# KiCad board SF_01 Compute Board.kicad_pcb (continued)
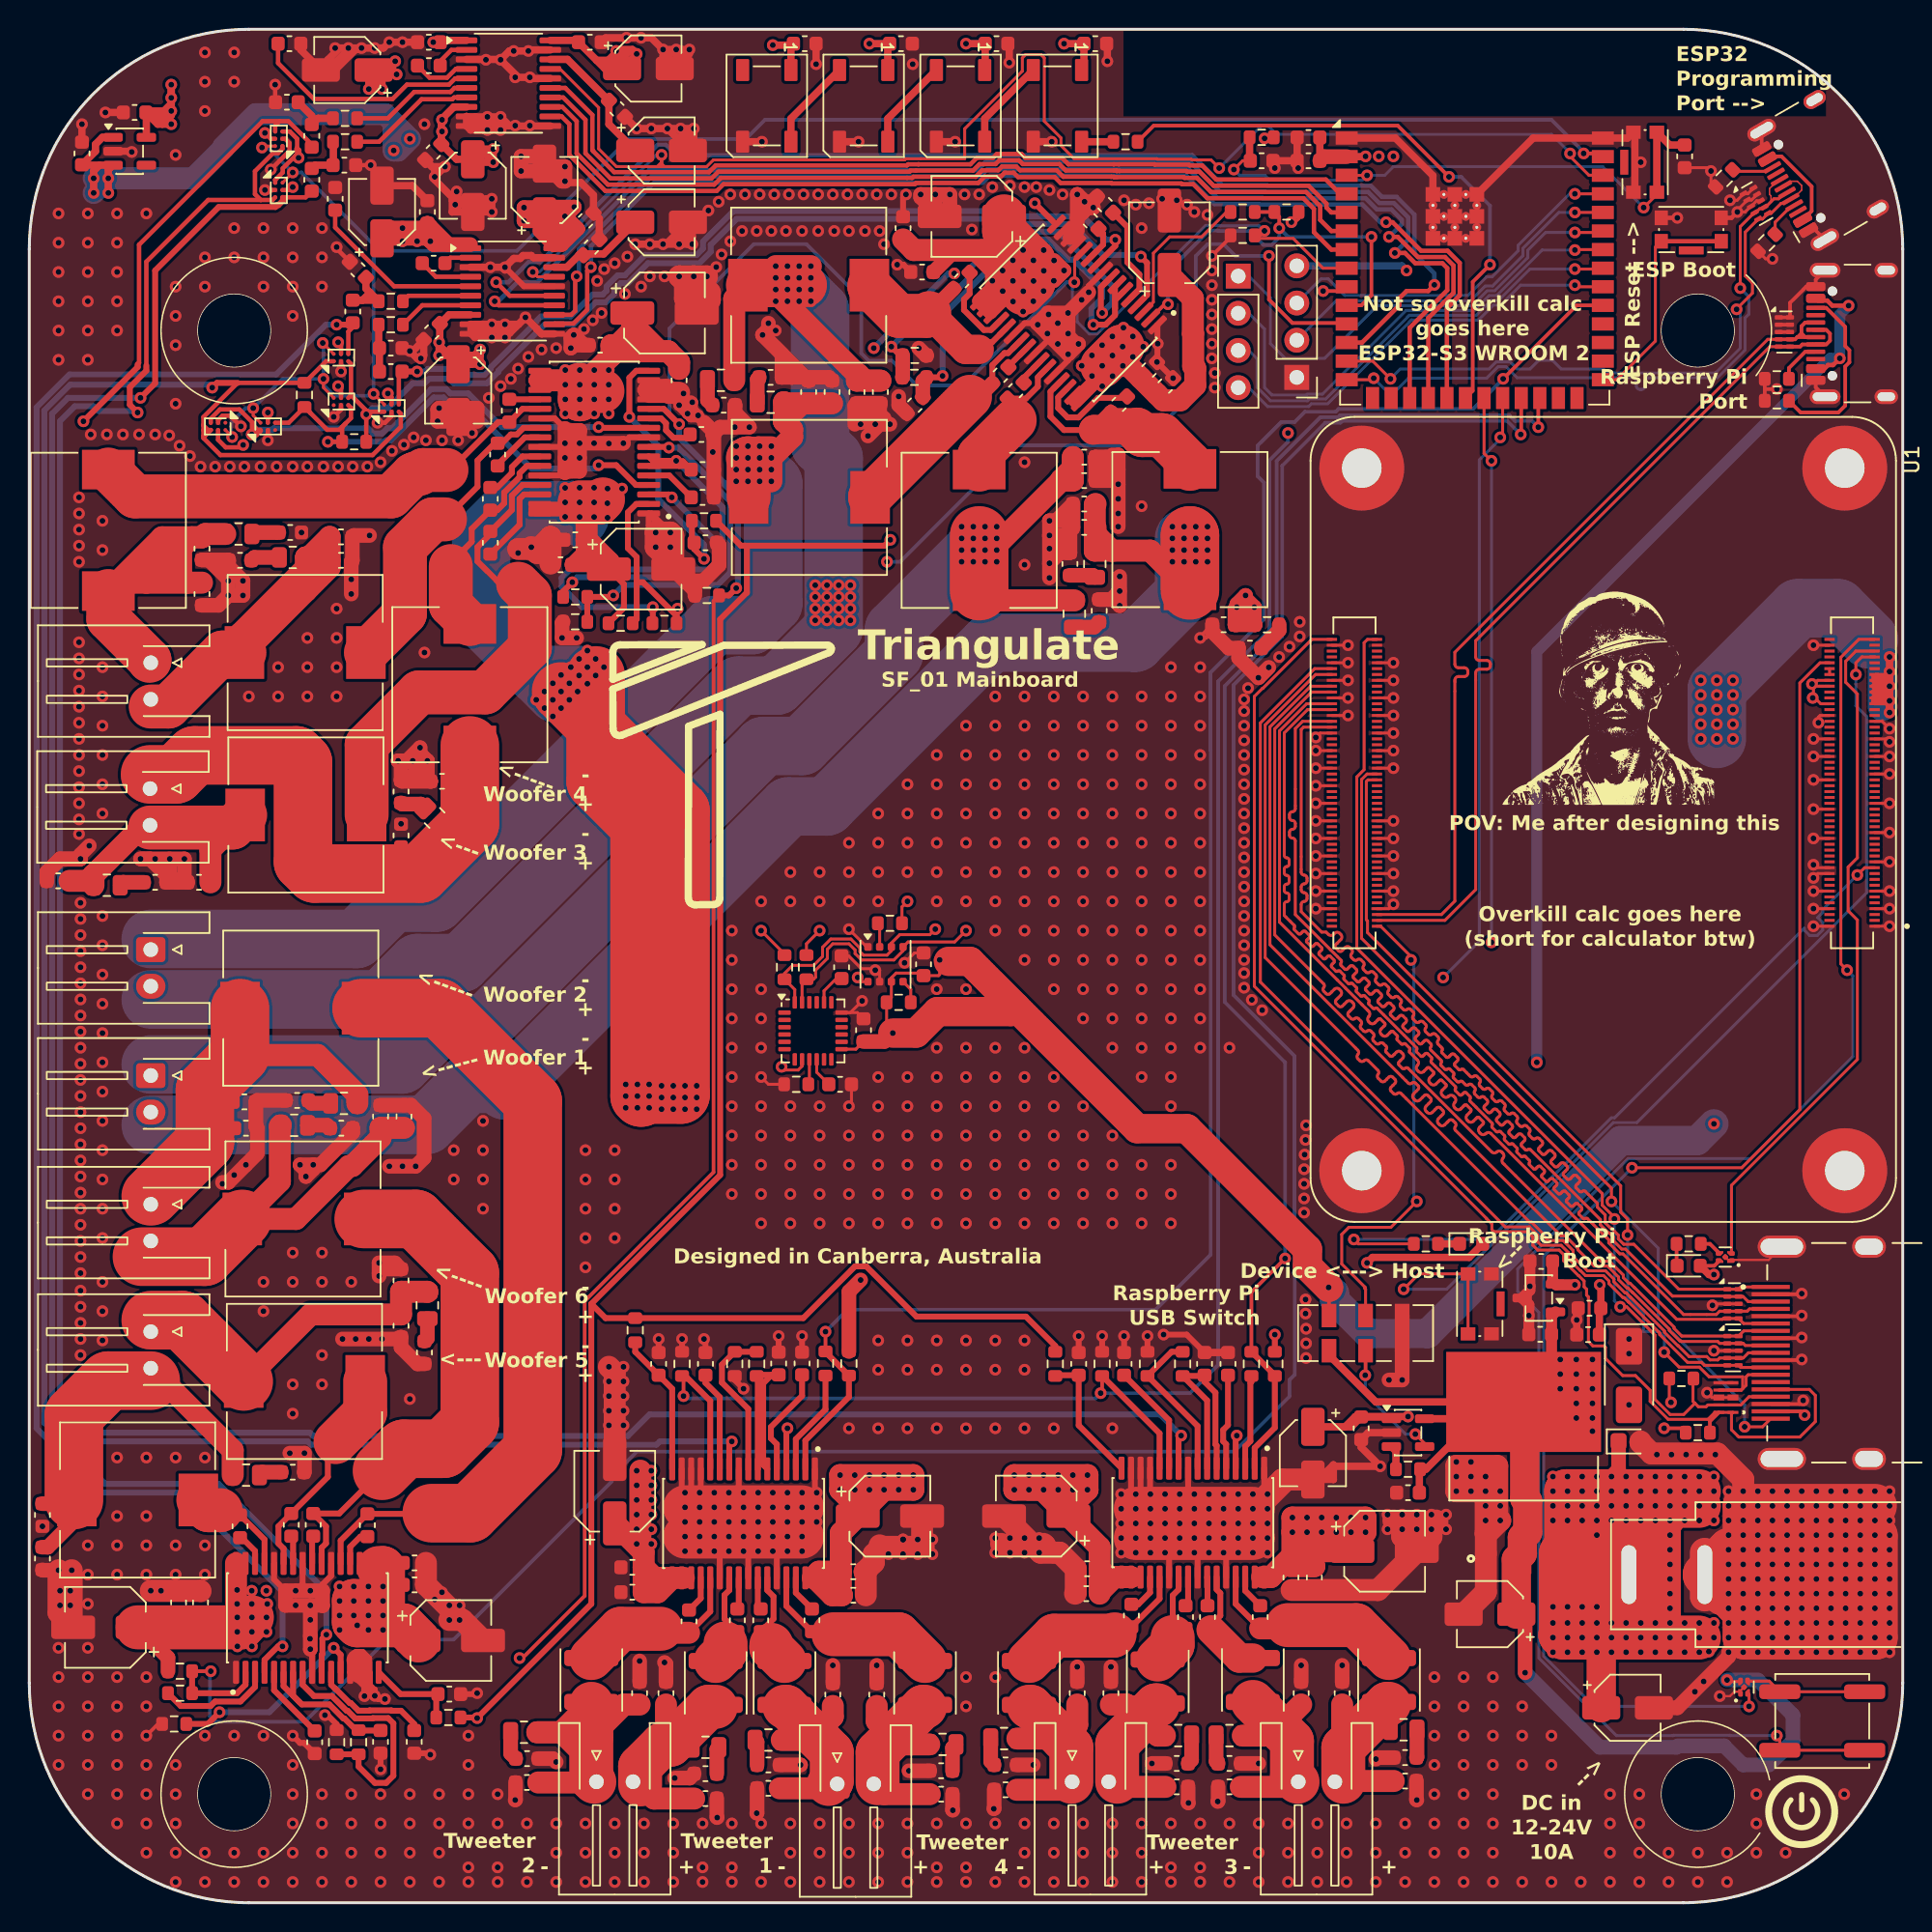
[diagram p0: board, top side]
## Routing (per net, layer and track width the routed paths; a pad name or vN(x,y) marks a point on that pad's centre or on a via; arc(x,y) is an arc through that point) (continued)
VBUS: length 103.4
  Top w0.3: J15.A4 122.65,104.82 122.89,105.06 123.24,105.06 v1(123.7,105.52) ; v1(124.3,109.12) 123.19,109.12 122.84,109.47 122.21,109.47 J15.A9
  Top w0.5: 89.9,32.52 90.32,32.52 C47.2 92.94,33.19 U27.1 ; 89.9,32.52 C73.1 ; 89.9,32.52 90.6,33.22 v1(94.2,33.22)
  In2.Cu w0.75: v1(103,57.42) 95.71,50.12 95.71,47.54 95.25,47.09 95.25,34.27 v1(94.2,33.22)
  Bottom w0.75: v1(124.3,109.12) 123.7,108.52 v1(123.7,105.52) 123.04,105.52 103,85.48 v1(103,57.42)
/DATA0N: length 70.5
  Top w0.2: U1.184 87.55,83.12 84.76,80.33 84.76,65.45 94.22,56 arc(94.34,55.95) 94.46,56 arc(94.59,56.05) 94.71,56 94.89,55.82 arc(94.94,55.7) 94.89,55.58 94.58,55.27 arc(94.51,55.1) 94.58,54.93 94.67,54.84 arc(94.84,54.77) 95.01,54.84 95.31,55.15 arc(95.44,55.2) 95.56,55.15 95.74,54.97 arc(95.79,54.85) 95.74,54.73 95.43,54.42 arc(95.36,54.25) 95.43,54.08 95.51,53.99 arc(95.68,53.92) 95.85,53.99 96.16,54.3 arc(96.29,54.35) 96.41,54.3 96.59,54.13 arc(96.64,54) 96.59,53.88 96.28,53.57 arc(96.21,53.4) 96.28,53.23 96.36,53.15 arc(96.53,53.08) 96.7,53.15 97.01,53.45 arc(97.13,53.51) 97.26,53.45 97.43,53.28 arc(97.49,53.15) 97.43,53.03 arc(97.38,52.91) 97.43,52.78 104.64,45.57 104.93,45.57 105.81,44.7 105.81,44.61 106.92,43.5 107.83,43.5 108.58,42.75 108.58,42.57 109.15,42 109.23,42 109.53,41.7 109.54,41.7 112.05,39.19 112.05,39.1 112.76,38.39 112.82,38.39 112.86,38.35 115.36,38.35 115.49,38.22 U2.2 U2.9 117.1,38.22 117.24,38.07 J1.9
/DATA0P: length 70.5
  Top w0.2: U1.182 87.61,82.72 85.09,80.2 85.09,66.12 88.44,62.78 arc(88.49,62.65) 88.44,62.53 arc(88.39,62.41) 88.44,62.28 88.62,62.11 arc(88.74,62.05) 88.86,62.11 89.17,62.41 arc(89.34,62.48) 89.51,62.41 89.6,62.33 arc(89.67,62.16) 89.6,61.99 89.29,61.68 arc(89.24,61.56) 89.29,61.43 89.46,61.26 arc(89.59,61.21) 89.71,61.26 90.02,61.57 arc(90.19,61.64) 90.36,61.57 90.44,61.48 arc(90.51,61.31) 90.44,61.14 90.14,60.83 arc(90.08,60.71) 90.14,60.59 90.31,60.41 arc(90.44,60.36) 90.56,60.41 arc(90.68,60.46) 90.81,60.41 90.98,60.23 arc(91.04,60.11) 90.98,59.98 arc(90.93,59.86) 90.98,59.74 91.16,59.56 arc(91.29,59.51) 91.41,59.56 arc(91.53,59.61) 91.66,59.56 91.83,59.38 arc(91.88,59.26) 91.83,59.14 arc(91.78,59.01) 91.83,58.89 92.01,58.71 arc(92.13,58.66) 92.26,58.71 arc(92.38,58.76) 92.5,58.71 92.71,58.51 arc(92.75,58.41) 92.71,58.31 arc(92.67,58.21) 92.71,58.11 92.96,57.86 arc(93.06,57.82) 93.16,57.86 93.41,58.12 arc(93.57,58.18) 93.73,58.12 93.84,58.01 arc(93.9,57.85) 93.84,57.7 93.58,57.44 arc(93.54,57.34) 93.58,57.24 93.81,57.01 arc(93.9,56.97) 94,57.01 arc(94.1,57.06) 94.2,57.01 99.92,51.29 arc(100.09,51.22) 100.26,51.29 arc(100.43,51.36) 100.6,51.29 100.69,51.21 arc(100.76,51.04) 100.69,50.87 arc(100.62,50.7) 100.69,50.53 107.39,43.83 107.97,43.83 108.91,42.88 108.91,42.71 109.29,42.33 109.37,42.33 109.67,42.02 109.68,42.02 112.38,39.33 112.38,39.24 112.9,38.72 U2.1 U2.10 117.14,39.07 J1.7
/DATA1N: length 70.3
  Top w0.2: J1.6 117.13,39.57 U3.6 U3.5 115.74,39.92 115.68,39.86 112.56,39.86 99.86,52.56 arc(99.69,52.63) 99.52,52.56 99.51,52.54 arc(99.34,52.47) 99.17,52.54 99.08,52.63 arc(99.01,52.8) 99.08,52.97 99.34,53.22 arc(99.37,53.29) 99.34,53.36 99.05,53.65 arc(98.98,53.68) 98.91,53.65 98.66,53.39 arc(98.49,53.32) 98.32,53.39 98.23,53.48 arc(98.16,53.65) 98.23,53.82 98.49,54.07 arc(98.52,54.14) 98.49,54.21 98.2,54.49 arc(98.13,54.52) 98.06,54.49 97.81,54.24 arc(97.64,54.17) 97.47,54.24 97.38,54.33 arc(97.31,54.49) 97.38,54.66 97.4,54.68 arc(97.47,54.85) 97.4,55.02 97.31,55.1 arc(97.14,55.17) 96.97,55.1 96.96,55.09 arc(96.79,55.02) 96.62,55.09 96.54,55.17 arc(96.47,55.34) 96.54,55.51 96.79,55.77 arc(96.82,55.84) 96.79,55.91 96.51,56.19 arc(96.44,56.22) 96.37,56.19 96.11,55.94 arc(95.94,55.87) 95.77,55.94 95.69,56.02 arc(95.62,56.19) 95.69,56.36 95.94,56.62 arc(95.97,56.69) 95.94,56.76 95.66,57.04 arc(95.59,57.07) 95.52,57.04 95.26,56.79 arc(95.09,56.72) 94.92,56.79 94.84,56.87 arc(94.77,57.04) 94.84,57.21 94.85,57.22 arc(94.92,57.39) 94.85,57.56 94.31,58.11 arc(94.28,58.18) 94.31,58.25 arc(94.34,58.32) 94.31,58.39 94.03,58.67 arc(93.96,58.7) 93.88,58.67 arc(93.81,58.64) 93.74,58.67 93.46,58.96 arc(93.43,59.03) 93.46,59.1 arc(93.49,59.17) 93.46,59.24 93.18,59.52 arc(93.11,59.55) 93.04,59.52 92.78,59.27 arc(92.61,59.2) 92.44,59.27 92.36,59.35 arc(92.29,59.52) 92.36,59.69 92.61,59.95 arc(92.64,60.02) 92.61,60.09 92.33,60.37 arc(92.26,60.4) 92.19,60.37 91.93,60.12 arc(91.76,60.05) 91.59,60.12 91.51,60.2 arc(91.44,60.37) 91.51,60.54 91.52,60.55 arc(91.59,60.72) 91.52,60.89 85.42,67 85.42,80.06 87.27,81.92 U1.178
/DATA1P: length 70.3
  Top w0.2: U1.176 87.33,81.52 85.75,79.93 85.75,71.56 arc(85.79,71.44) 85.91,71.39 arc(86.03,71.34) 86.08,71.23 86.08,70.96 arc(86.03,70.84) 85.91,70.79 arc(85.79,70.74) 85.75,70.63 85.75,70.36 arc(85.79,70.24) 85.91,70.19 arc(86.03,70.14) 86.08,70.03 86.08,69.76 arc(86.03,69.64) 85.91,69.59 arc(85.79,69.54) 85.75,69.43 85.75,69.16 arc(85.79,69.04) 85.91,68.99 arc(86.03,68.94) 86.08,68.83 86.08,68.56 arc(86.03,68.44) 85.91,68.39 arc(85.79,68.34) 85.75,68.23 85.75,67.45 86.43,66.77 arc(86.46,66.7) 86.43,66.62 arc(86.41,66.55) 86.43,66.48 86.72,66.2 arc(86.79,66.17) 86.86,66.2 87.02,66.36 arc(87.11,66.4) 87.19,66.36 87.44,66.11 arc(87.48,66.02) 87.44,65.94 87.28,65.78 arc(87.25,65.71) 87.28,65.63 87.57,65.35 arc(87.64,65.32) 87.71,65.35 87.87,65.51 arc(87.96,65.55) 88.04,65.51 88.29,65.26 arc(88.33,65.18) 88.29,65.09 88.13,64.93 arc(88.1,64.86) 88.13,64.79 88.41,64.5 arc(88.49,64.47) 88.56,64.5 88.72,64.66 arc(88.8,64.7) 88.89,64.66 89.14,64.42 arc(89.18,64.33) 89.14,64.24 88.98,64.08 arc(88.95,64.01) 88.98,63.94 89.26,63.65 arc(89.33,63.63) 89.4,63.65 arc(89.48,63.68) 89.55,63.65 89.83,63.37 arc(89.86,63.3) 89.83,63.23 arc(89.8,63.16) 89.83,63.09 90.11,62.81 arc(90.18,62.78) 90.25,62.81 arc(90.32,62.84) 90.39,62.81 90.68,62.52 arc(90.71,62.45) 90.68,62.38 arc(90.65,62.31) 90.68,62.24 90.96,61.96 arc(91.03,61.93) 91.1,61.96 arc(91.17,61.99) 91.24,61.96 91.53,61.68 arc(91.56,61.6) 91.53,61.53 arc(91.5,61.46) 91.53,61.39 91.81,61.11 arc(91.88,61.08) 91.95,61.11 arc(92.02,61.14) 92.09,61.11 94.79,58.41 arc(94.82,58.34) 94.79,58.27 arc(94.76,58.2) 94.79,58.13 95.07,57.84 arc(95.14,57.81) 95.22,57.84 95.37,58 arc(95.46,58.04) 95.55,58 95.8,57.76 arc(95.84,57.67) 95.8,57.58 arc(95.76,57.49) 95.8,57.4 97.44,55.76 arc(97.47,55.69) 97.44,55.62 arc(97.41,55.55) 97.44,55.48 97.72,55.19 arc(97.79,55.17) 97.87,55.19 98.01,55.34 arc(98.09,55.38) 98.17,55.34 98.44,55.08 arc(98.47,55) 98.44,54.92 arc(98.41,54.84) 98.44,54.76 99.95,53.25 arc(99.98,53.18) 99.95,53.11 arc(99.92,53.04) 99.95,52.97 100.23,52.69 arc(100.3,52.66) 100.37,52.69 arc(100.44,52.72) 100.51,52.69 100.8,52.4 arc(100.83,52.33) 100.8,52.26 arc(100.77,52.19) 100.8,52.12 101.08,51.84 arc(101.15,51.81) 101.22,51.84 arc(101.29,51.87) 101.36,51.84 101.65,51.56 arc(101.68,51.48) 101.65,51.41 arc(101.62,51.34) 101.65,51.27 101.93,50.99 arc(102,50.96) 102.07,50.99 arc(102.14,51.02) 102.21,50.99 102.49,50.71 arc(102.52,50.64) 102.49,50.57 arc(102.47,50.49) 102.49,50.42 102.78,50.14 arc(102.85,50.11) 102.92,50.14 103.08,50.3 arc(103.17,50.34) 103.25,50.3 103.5,50.05 arc(103.54,49.96) 103.5,49.88 103.34,49.72 arc(103.31,49.65) 103.34,49.58 103.63,49.29 arc(103.7,49.26) 103.77,49.29 103.93,49.45 arc(104.01,49.49) 104.1,49.45 104.35,49.2 arc(104.39,49.12) 104.35,49.03 104.19,48.87 arc(104.16,48.8) 104.19,48.73 104.47,48.44 arc(104.54,48.41) 104.62,48.44 104.77,48.6 arc(104.86,48.64) 104.95,48.6 105.2,48.36 arc(105.24,48.27) 105.2,48.18 105.04,48.02 arc(105.01,47.95) 105.04,47.88 105.32,47.6 arc(105.39,47.57) 105.46,47.6 105.62,47.75 arc(105.71,47.79) 105.8,47.75 106.05,47.51 arc(106.08,47.42) 106.05,47.33 105.89,47.17 arc(105.86,47.1) 105.89,47.03 106.17,46.75 arc(106.24,46.72) 106.31,46.75 arc(106.38,46.78) 106.45,46.75 107.77,45.43 107.78,45.43 107.92,45.3 107.92,45.08 108.67,44.33 108.88,44.33 113.03,40.19 115.26,40.19 115.49,40.42 U3.4 U3.7 117.38,40.42 117.54,40.57 J1.4
/DATA2N: length 70.3
  Top w0.2: J1.3 117.44,41.07 117.1,41.42 U3.9 U3.2 115.99,41.45 112.27,41.45 109.06,44.66 108.8,44.66 108.24,45.22 108.24,45.47 107.96,45.76 107.9,45.76 107.34,46.32 107.34,46.67 102.56,51.45 arc(102.47,51.49) 102.39,51.45 arc(102.3,51.42) 102.21,51.45 101.96,51.7 arc(101.93,51.79) 101.96,51.88 102.16,52.07 arc(102.2,52.18) 102.16,52.28 101.94,52.5 arc(101.84,52.54) 101.73,52.5 101.54,52.3 arc(101.45,52.27) 101.36,52.3 101.11,52.55 arc(101.08,52.64) 101.11,52.73 101.31,52.92 arc(101.35,53.03) 101.31,53.13 101.1,53.35 arc(100.99,53.39) 100.88,53.35 100.69,53.15 arc(100.6,53.11) 100.51,53.15 100.26,53.4 arc(100.23,53.49) 100.26,53.58 100.46,53.77 arc(100.5,53.88) 100.46,53.98 100.25,54.19 arc(100.14,54.24) 100.04,54.19 99.84,54 arc(99.75,53.96) 99.66,54 99.42,54.25 arc(99.38,54.34) 99.42,54.42 99.61,54.62 arc(99.65,54.72) 99.61,54.83 99.4,55.04 arc(99.29,55.09) 99.19,55.04 arc(99.08,55) 98.97,55.04 98.76,55.25 arc(98.72,55.36) 98.76,55.47 arc(98.81,55.57) 98.76,55.68 98.55,55.89 arc(98.44,55.93) 98.34,55.89 arc(98.23,55.85) 98.13,55.89 97.91,56.1 arc(97.83,56.14) 97.74,56.1 arc(97.65,56.07) 97.56,56.1 97.31,56.35 arc(97.28,56.44) 97.31,56.53 arc(97.35,56.62) 97.31,56.7 97.07,56.95 arc(96.98,56.99) 96.89,56.95 arc(96.8,56.92) 96.71,56.95 96.46,57.2 arc(96.43,57.29) 96.46,57.38 arc(96.5,57.46) 96.46,57.55 95.76,58.26 arc(95.71,58.37) 95.76,58.47 arc(95.8,58.58) 95.76,58.68 95.54,58.9 arc(95.44,58.94) 95.33,58.9 95.14,58.7 arc(95.05,58.67) 94.96,58.7 94.71,58.95 arc(94.68,59.04) 94.71,59.13 94.91,59.32 arc(94.95,59.43) 94.91,59.53 94.7,59.74 arc(94.59,59.79) 94.48,59.74 94.29,59.55 arc(94.2,59.51) 94.11,59.55 93.87,59.8 arc(93.83,59.89) 93.87,59.97 94.06,60.17 arc(94.1,60.28) 94.06,60.38 93.85,60.59 arc(93.74,60.64) 93.64,60.59 93.44,60.4 arc(93.35,60.36) 93.26,60.4 93.02,60.65 arc(92.98,60.73) 93.02,60.82 93.21,61.02 arc(93.26,61.12) 93.21,61.23 93,61.44 arc(92.89,61.49) 92.79,61.44 92.59,61.25 arc(92.5,61.21) 92.42,61.25 92.17,61.49 arc(92.13,61.58) 92.17,61.67 92.36,61.87 arc(92.41,61.97) 92.36,62.08 92.15,62.29 arc(92.04,62.33) 91.94,62.29 91.74,62.1 arc(91.66,62.06) 91.57,62.1 91.32,62.34 arc(91.28,62.43) 91.32,62.52 91.51,62.71 arc(91.56,62.82) 91.51,62.93 91.3,63.14 arc(91.2,63.18) 91.09,63.14 90.9,62.94 arc(90.81,62.91) 90.72,62.94 90.47,63.19 arc(90.43,63.28) 90.47,63.37 90.67,63.56 arc(90.71,63.67) 90.67,63.78 90.45,63.99 arc(90.35,64.03) 90.24,63.99 90.05,63.79 arc(89.96,63.76) 89.87,63.79 89.62,64.04 arc(89.59,64.13) 89.62,64.22 arc(89.66,64.31) 89.62,64.39 86.5,67.52 86.5,72.54 arc(86.44,72.68) 86.3,72.74 arc(86.16,72.8) 86.1,72.94 86.1,73.14 arc(86.16,73.28) 86.3,73.34 arc(86.44,73.4) 86.5,73.54 86.5,73.74 arc(86.44,73.88) 86.3,73.94 arc(86.16,74) 86.1,74.14 86.1,74.34 arc(86.16,74.48) 86.3,74.54 arc(86.44,74.6) 86.5,74.74 86.5,80.22 87,80.72 U1.172
/DATA2P: length 70.3
  Top w0.2: U1.170 87.06,80.32 86.9,80.16 86.9,70.41 arc(86.96,70.27) 87.1,70.21 arc(87.24,70.15) 87.3,70.01 87.3,69.81 arc(87.24,69.67) 87.1,69.61 arc(86.96,69.55) 86.9,69.41 86.9,69.21 arc(86.96,69.07) 87.1,69.01 arc(87.24,68.95) 87.3,68.81 87.3,68.61 arc(87.24,68.47) 87.1,68.41 arc(86.96,68.35) 86.9,68.21 86.9,67.72 88.3,66.32 88.6,66.32 88.76,66.15 arc(88.93,66.08) 89.1,66.15 89.19,66.24 arc(89.36,66.31) 89.53,66.24 89.61,66.15 arc(89.68,65.98) 89.61,65.81 89.25,65.45 arc(89.21,65.35) 89.25,65.24 89.46,65.03 arc(89.57,64.98) 89.68,65.03 89.92,65.28 arc(90.07,65.33) 90.21,65.28 90.35,65.13 arc(90.41,64.99) 90.35,64.85 arc(90.29,64.71) 90.35,64.57 90.49,64.43 arc(90.61,64.38) 90.74,64.43 arc(90.86,64.48) 90.98,64.43 91.16,64.25 arc(91.21,64.13) 91.16,64 arc(91.11,63.88) 91.16,63.76 91.34,63.58 arc(91.46,63.53) 91.59,63.58 arc(91.71,63.63) 91.83,63.58 92.01,63.4 arc(92.06,63.28) 92.01,63.15 arc(91.96,63.03) 92.01,62.91 92.19,62.73 arc(92.31,62.68) 92.43,62.73 arc(92.56,62.78) 92.68,62.73 92.86,62.55 arc(92.91,62.43) 92.86,62.31 arc(92.81,62.18) 92.86,62.06 93.04,61.88 arc(93.16,61.83) 93.28,61.88 arc(93.41,61.93) 93.53,61.88 93.71,61.7 arc(93.76,61.58) 93.71,61.46 arc(93.66,61.33) 93.71,61.21 93.88,61.03 arc(94.01,60.98) 94.13,61.03 arc(94.25,61.08) 94.38,61.03 94.56,60.86 arc(94.61,60.73) 94.56,60.61 arc(94.5,60.49) 94.56,60.36 94.73,60.18 arc(94.86,60.13) 94.98,60.18 arc(95.1,60.24) 95.23,60.18 95.4,60.01 arc(95.46,59.88) 95.4,59.76 arc(95.35,59.64) 95.4,59.51 95.58,59.34 arc(95.7,59.28) 95.83,59.34 arc(95.95,59.39) 96.08,59.34 96.25,59.16 arc(96.3,59.04) 96.25,58.91 arc(96.2,58.79) 96.25,58.66 96.53,58.39 arc(96.56,58.31) 96.53,58.23 arc(96.49,58.15) 96.53,58.07 96.81,57.78 arc(96.89,57.75) 96.97,57.78 97.16,57.96 arc(97.26,58.01) 97.36,57.96 97.58,57.74 arc(97.62,57.64) 97.58,57.54 97.4,57.36 arc(97.36,57.27) 97.4,57.19 97.66,56.93 arc(97.74,56.9) 97.82,56.93 arc(97.9,56.97) 97.99,56.93 98.45,56.46 arc(98.57,56.41) 98.68,56.46 arc(98.8,56.51) 98.91,56.46 99.11,56.27 arc(99.15,56.15) 99.11,56.04 arc(99.06,55.92) 99.11,55.81 99.3,55.61 arc(99.42,55.57) 99.53,55.61 arc(99.65,55.66) 99.76,55.61 99.96,55.42 arc(100,55.3) 99.96,55.19 arc(99.91,55.08) 99.96,54.96 100.15,54.77 arc(100.27,54.72) 100.38,54.77 arc(100.49,54.81) 100.61,54.77 100.8,54.57 arc(100.85,54.46) 100.8,54.34 arc(100.76,54.23) 100.8,54.11 101,53.92 arc(101.11,53.87) 101.23,53.92 arc(101.34,53.96) 101.46,53.92 101.65,53.72 arc(101.7,53.61) 101.65,53.49 arc(101.61,53.38) 101.65,53.26 101.85,53.07 arc(101.96,53.02) 102.08,53.07 arc(102.19,53.12) 102.31,53.07 102.5,52.87 arc(102.55,52.76) 102.5,52.64 arc(102.45,52.53) 102.5,52.42 102.7,52.22 arc(102.81,52.17) 102.93,52.22 arc(103.04,52.27) 103.16,52.22 103.36,52.02 arc(103.41,51.9) 103.36,51.79 103.15,51.57 arc(103.11,51.47) 103.15,51.37 103.37,51.15 arc(103.47,51.11) 103.57,51.15 103.79,51.36 arc(103.9,51.41) 104.02,51.36 104.21,51.17 arc(104.26,51.06) 104.21,50.94 103.99,50.72 arc(103.95,50.62) 103.99,50.53 104.22,50.3 arc(104.32,50.26) 104.42,50.3 104.63,50.52 arc(104.75,50.56) 104.87,50.52 105.06,50.32 arc(105.11,50.21) 105.06,50.09 104.84,49.88 arc(104.8,49.78) 104.84,49.68 105.07,49.45 arc(105.17,49.41) 105.27,49.45 105.48,49.67 arc(105.6,49.72) 105.72,49.67 105.91,49.48 arc(105.96,49.36) 105.91,49.24 105.69,49.03 arc(105.65,48.93) 105.69,48.83 105.92,48.6 arc(106.02,48.56) 106.12,48.6 arc(106.22,48.64) 106.31,48.6 107.14,47.77 107.14,47.52 107.67,46.99 107.67,46.46 108.04,46.09 108.09,46.09 108.57,45.61 108.57,45.36 108.94,44.99 109.63,44.99 112.7,41.92 U3.1 U3.10 116.94,42.07 J1.1
/DATA3N: length 70.6
  Top w0.2: J1.12 116.93,36.57 U2.6 U2.5 114.45,36.72 114.25,36.92 113.3,36.92 111.4,38.82 111.4,38.92 109.27,41.04 109.26,41.04 108.96,41.35 108.88,41.35 107.93,42.3 107.93,42.48 107.56,42.85 106.32,42.85 106,43.17 105.98,43.17 105.15,44 105.15,44.43 104.66,44.92 103.3,44.92 103.06,45.16 103.06,45.61 102.5,46.17 100.84,46.17 84.11,62.91 84.11,80.61 87.82,84.32 U1.190
/DATA3P: length 70.6
  Top w0.2: U1.188 87.88,83.92 84.44,80.47 84.44,64.58 90.77,58.24 arc(90.83,58.1) 90.77,57.95 arc(90.71,57.81) 90.77,57.66 90.91,57.53 arc(91.05,57.47) 91.2,57.53 arc(91.34,57.59) 91.49,57.53 92.15,56.86 arc(92.21,56.73) 92.15,56.6 arc(92.1,56.47) 92.15,56.34 92.35,56.14 arc(92.49,56.08) 92.62,56.14 92.88,56.41 arc(93.02,56.46) 93.16,56.41 93.31,56.25 arc(93.36,56.12) 93.31,55.98 93.04,55.71 arc(92.99,55.58) 93.04,55.45 93.2,55.29 arc(93.33,55.24) 93.46,55.29 arc(93.6,55.34) 93.73,55.29 102.52,46.5 102.63,46.5 103.38,45.75 103.38,45.63 103.77,45.25 104.79,45.25 105.48,44.56 105.48,44.14 106.12,43.5 106.13,43.5 106.46,43.17 107.7,43.17 108.26,42.61 108.26,42.43 109.02,41.67 109.1,41.67 109.4,41.37 109.41,41.37 111.72,39.06 111.72,38.97 112.63,38.06 112.65,38.06 113.4,37.32 114.61,37.32 114.84,37.09 115.36,37.09 115.49,37.22 U2.4 U2.7 117.1,37.22 117.46,37.57 J1.10
/ESP32 Circuit/ORIENTATION_SWITCH: length 133.7
  Top w0.2: U26.A2 13.86,100.16 v1(13.86,100.14) ; U16.A2 15.3,101.62 v1(15.3,102.12) ; v1(23.53,103.09) U25.A2 ; v1(20.1,104.12) 20.1,103.52 U15.A2 ; v1(15.9,119.92) 16,120.02 U24.A2 ; U12.A2 v1(18,118.22) ; v1(20.05,106.57) U13.A2
  Top w0.25: U4.39 107.29,119.52 v1(106.2,119.52)
  Bottom w0.25: v1(20.1,104.12) 17.3,104.12 v1(15.3,102.12) 14.77,102.12 13.8,101.14 13.8,100.2 v1(13.86,100.14) ; v1(20.1,104.12) 20.1,103.69 20.83,102.96 23.39,102.96 v1(23.53,103.09) 23.53,111.62 ; v1(20.1,104.12) 20.1,106.52 v1(20.05,106.57) ; 23.85,112.97 23.95,112.86 33.32,112.86 40.96,120.5 48.95,120.5 50.26,121.82 104,121.82 106.2,119.62 v1(106.2,119.52) ; 23.85,112.97 23.53,113.29 ; 23.85,112.97 23.53,112.64 23.53,111.62 ; 23.53,113.29 23.53,111.62 ; 23.53,113.29 18.6,118.22 v1(18,118.22) 16.3,119.92 v1(15.9,119.92)
/ESP32 Circuit/USBC2_DN: length 44.5
  Top w0.1: J16.A7 119.95,117.26 120.3,117.62 120.8,117.62 121.1,117.32 121.1,117.02 120.48,116.4 J16.B7
  Top w0.2: 90.1,105.42 U4.13 91.79,105.33 v1(93,104.12) ; 119.88,116.1 119.69,116.1 119,115.42 U10.6 118.41,115.03 118.13,115.03 117.24,114.14 117.24,111.15 117.73,110.66 117.73,109.97 116.65,108.89 v1(116.65,108.87)
  Bottom w0.2: v1(93,104.12) 93.67,104.79 99.74,104.79 100.22,105.27 101.18,105.27 101.66,104.79 102.54,104.79 103.12,105.37 104.08,105.37 104.66,104.79 107.54,104.79 107.81,104.52 115.2,104.52 116.9,106.22 116.9,108.62 v1(116.65,108.87)
/ESP32 Circuit/USBC2_DP: length 44.6
  Top w0.1: J16.B6 119.48,117.7 118.9,117.12 118.9,116.72 119,116.62 119,116.22
  Top w0.2: v1(116.9,110.32) 116.9,114.52 117.85,115.46 U10.4 117.95,115.46 118.23,115.74 118.42,115.74 ; U10.7 118.63,115.85 119.2,116.42 119.51,116.42 119.63,116.54 ; U4.14 91.75,104.06 v1(91.86,104.16)
  Bottom w0.2: v1(116.9,110.32) 117.48,109.74 117.48,108.52 117.23,108.27 117.23,106.08 115.34,104.19 110.64,104.19 arc(110.47,104.12) 110.4,103.95 110.4,103.63 arc(110.33,103.46) 110.16,103.39 110.04,103.39 arc(109.87,103.46) 109.8,103.63 109.8,103.95 arc(109.73,104.12) 109.56,104.19 101.66,104.19 100.9,104.95 100.36,104.95 99.57,104.16 94.22,104.16 93.34,103.29 92.73,103.29 v1(91.86,104.16)
/USBC1_DN: length 61.7
  Top w0.2: U1.103 96.72,67.12 98.82,69.22 98.82,84.04 arc(98.9,84.21) 99.06,84.28 99.59,84.28 arc(99.75,84.35) 99.82,84.52 99.82,84.64 arc(99.75,84.81) 99.59,84.88 99.06,84.88 arc(98.9,84.95) 98.82,85.12 98.82,86.22 118.92,106.32 U7.5
  Top w0.25: J15.A7 122.77,107.47 123.03,107.21 123.03,106.72 122.77,106.47 J15.B7 ; U7.5 U7.6 120.99,106.32 121.14,106.47 122.57,106.47 ; 122.57,107.47 121.85,107.47
